# Allegro board WDMB-0007B-V02.brd (continued)
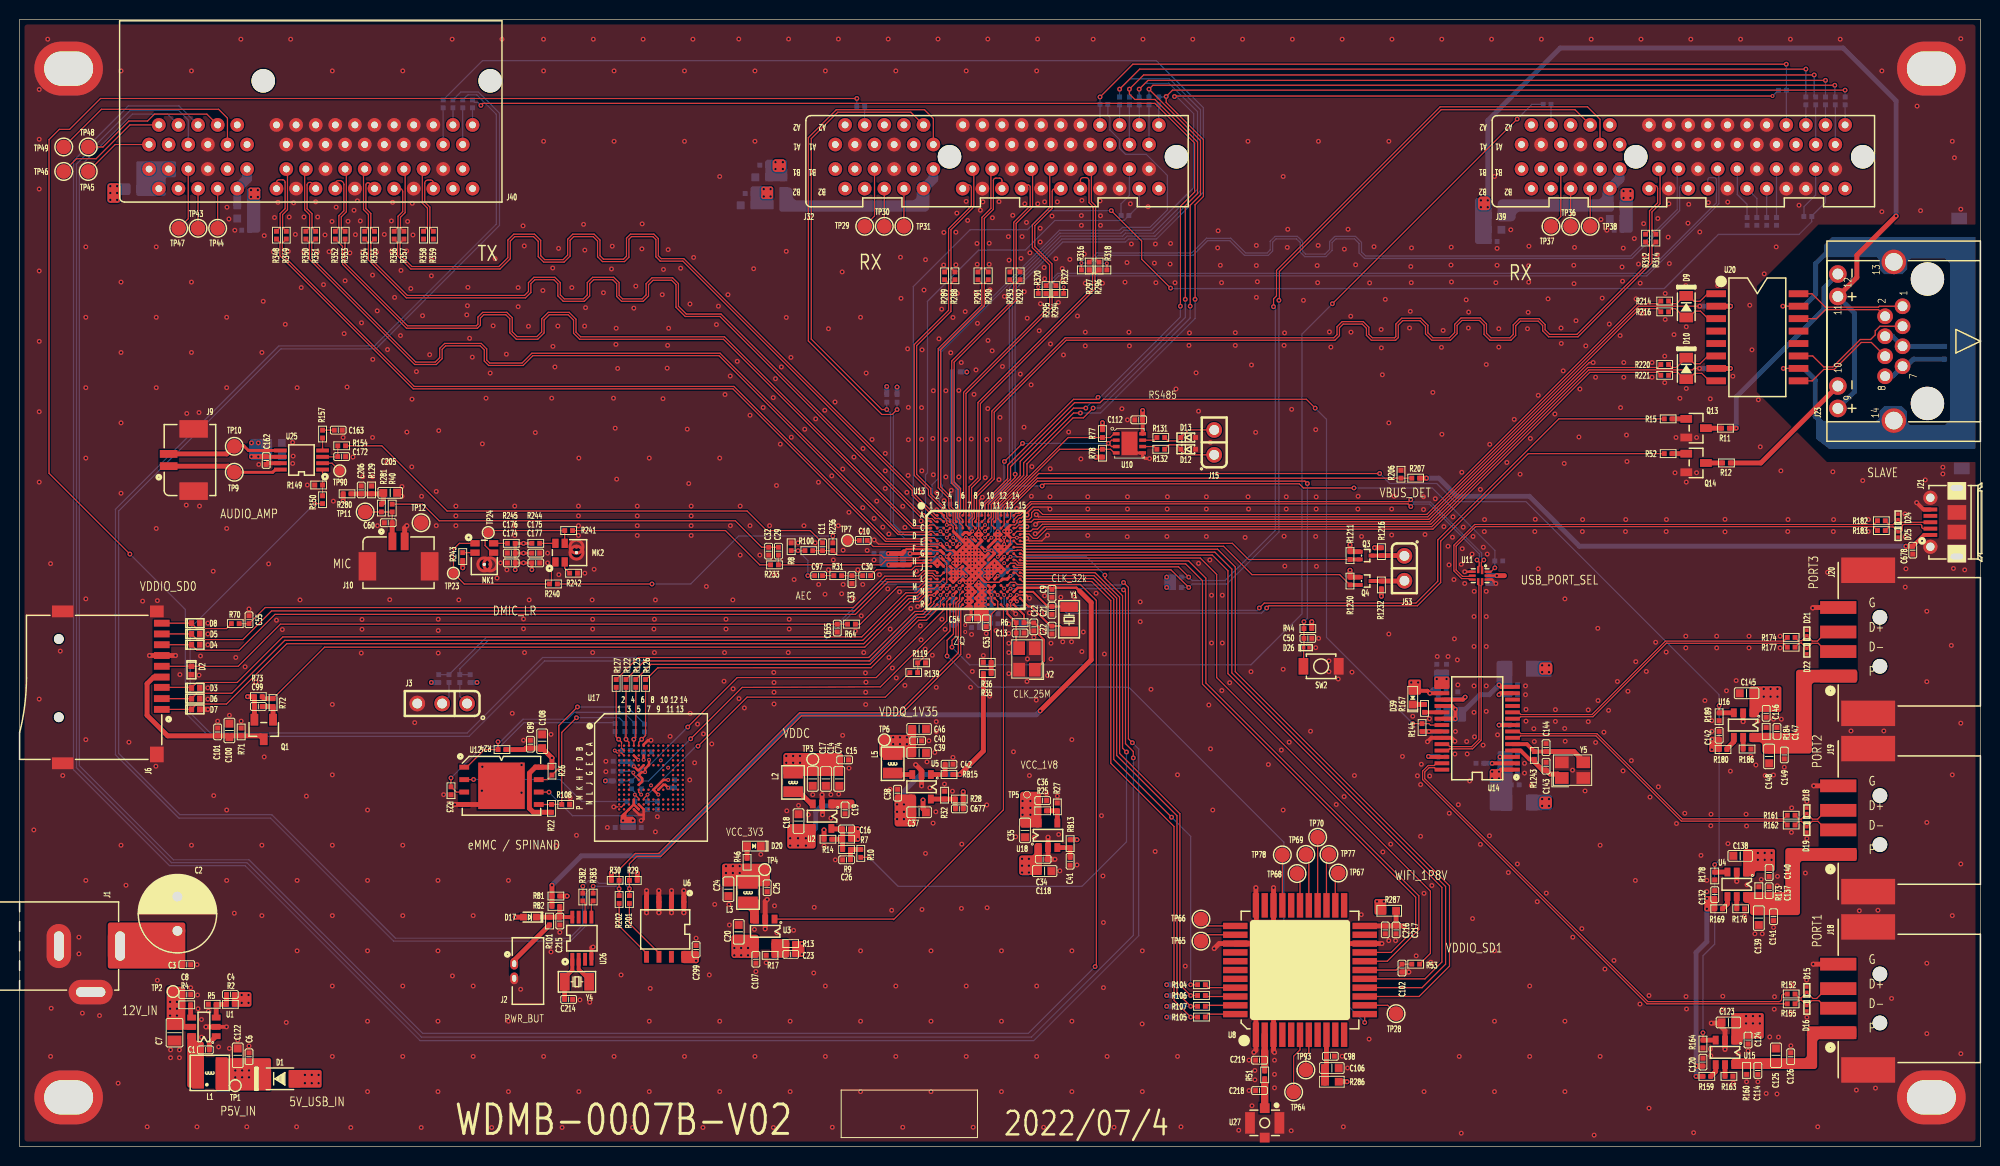
[diagram p0: board, top side]
## Nets (continued)
RGB_MCLK0: J32.B30 R691.1 U13.C4((CAM_MCLK0/AUX1/XGPIOA[0])___[P)
RGB_RST0: R298.2 U13.E5((XGPIOA[2]/CAM_VS0/IIC4_SCL)___)
RGB_RX0_0N: R288.2 U13.A4(((PAD_MIPIRX0N)/VI0_D[7]/VO_D[6)
RGB_RX0_0P: R289.2 U13.B4(((PAD_MIPIRX0P)/VI0_D[8]/VO_D[5)
RGB_RX0_1N: R290.2 U13.B5(((PAD_MIPIRX1N)/VI0_D[5]/VO_D[8)
RGB_RX0_1P: R291.2 U13.C5(((PAD_MIPIRX1P)/VI0_D[6]/VO_D[7)
RGB_RX0_2N: R292.2 U13.B6(((PAD_MIPIRX2N)/VI0_D[3]/VO_D[1)
RGB_RX0_2P: R293.2 U13.C6(((PAD_MIPIRX2P)/VI0_D[4]/VO_D[9)
RS485_RE_DE: U10.2(RE#) U10.3(DE) U13.C9((VI2_CLK/VI1_CLK/VO_CLK1/XGPIOB)
RS485_UART2_RX: R77.2 U10.1(R) U13.B12((PWM[2]/VI1_D[9]/VO_D[22]/XGPIO)
RS485_UART2_TX: R78.2 U10.4(D) U13.A12((PWM[1]/VI1_D[10]/VO_D[23]/XGPI)
RS485DN: R132.1 U10.6(A)
RS485DN_1: D12.N(CATHODE) J15.1 R132.2
RS485DP: R131.2 U10.7(B)
RS485DP_1: D13.N(CATHODE) J15.2 R131.1
RTC_XIN: C21.1 U13.N15(RTC_XIN) Y1.2
RTC_XOUT: C22.1 U13.P15(RTC_XOUT) Y1.1
RX_D+: J23.3(RX_D+) U20.11(RX+)
RX_D-: J23.6(RX_D-) U20.9(RX-)
SD1_CLK: C102.1 R53.1 U8.17(SD_CLK)
SD_PWR_3V3: C100.1 C101.1 J6.4(VDD) Q1.D(DRAIN) R71.2
SD_PWR_EN: R72.1 R73.2 U13.N1((SDIO0_PWR_EN/XGPIOA[14])__[PD-)
SD_SD0_CD: C55.1 R70.2 U13.K2((SDIO0_CD/XGPIOA[13])__________)
SD_SD0_CLK: R64.2 U13.L1((SDIO0_CLK/IIC1_SDA/SPI0_SCK/XG)
SD_SD0_CMD: D3.N(2) J6.3(CMD) U13.L3((SDIO0_CMD/IIC1_SCL/SPI0_SDO/XG)
SD_SD0_D0: D4.N(2) J6.7(DAT0) U13.L2((SDIO0_D[0]/CAM_MCLK1/SPI0_SDI/)
SD_SD0_D1: D5.N(2) J6.8(DAT1) U13.K3((SDIO0_D[1]/IIC1_SDA/AUX0/XGPIO)
SD_SD0_D2: D7.N(2) J6.1(DAT2) U13.M2((SDIO0_D[2]/IIC1_SCL/AUX1/XGPIO)
SD_SD0_D3: D6.N(2) J6.2(CD/DAT3) U13.M1((SDIO0_D[3]/CAM_MCLK0/SPI0_CS_X)
SDIO_CD_1: D8.N(2) J6.9(CD) R70.1
SDIO_CLK_1: C655.2 D2.N(2) J6.5(CLOCK) R64.1
SPI_VCC: C23.2 C24.1 C25.1 C43.1 C44.1 C45.1 C56.1 C57.1 C61.1 C64.1 C89.1 C99.1 C108.1 C299.1 C673.1 C674.1 C675.1 C676.1 D17.P J23.9(GRN_A+) J23.11(YEL_A+) L3.2 Q1.S(SOURCE) R13.1 R22.1 R24.1 R26.1 R29.1 R30.1 R38.1 R46.1 R54.1 R73.1 R77.1 R78.1 R116.1 R142.2 R280.2 R286.1 R1248.2 R1249.2 TP4.1(TP) U6.8(VCC) U12.8(VCC) U13.F9(VDDIO_VIVO) U13.G11(VDD33A_EPHY) U13.H3(VIN3V) U13.H10(VCC33A_USB) U13.M3(VDDIO_EMMC) U17.E6(VCC#E6) U17.F5(VCC#F5) U17.J10(VCC#J10) U17.K9(VCC#K9)
SPINAND_CS_X: R24.2 R39.1 U12.1(CSZ)
SPINAND_HOLD_X: R26.2 R118.1 U12.7(HOLD#(IO3))
SPINAND_MISO: R49.1 U12.2(SO(IO1))
SPINAND_MOSI: R3.1 R22.2 R108.1 U12.5(SI(IO0))
SPINAND_SCK: R128.1 U12.6(SCK)
SPINAND_WP_X: R23.1 R121.1 U12.3(WP#(IO2))
SPK_EN: R150.1 U13.N3((XGPIOA[15])________________[PD)
SYS_XTAL_IN: C13.1 R6.1 U13.R13(XTAL_XIN) Y2.3(X2)
SYS_XTAL_OUT: C12.1 R6.2 U13.R14(XTAL_XOUT) Y2.1(X1)
TP_INT: R363.2 U13.A9((VI2_D[2]/VI1_D[2]/VO_D[15]/XGP)
TP_RST: R360.2 U13.A10((VI2_D[3]/VI1_D[3]/VO_D[16]/XGP)
TX_D+: J23.1(TX_D+) U20.16(TX+)
TX_D-: J23.2(TX_D-) U20.14(TX-)
UART0_RX: R33.2 R38.2 U13.M4((UART0_RX/CAM_MCLK0/PWM[5]/XGPI)
UART0_TX: R16.2 R54.2 U13.M5((UART0_TX/CAM_MCLK1/PWM[4]/XGPI)
UART_CTS: R104.1 U8.41(UART_RTS)
UART_RTS: R105.1 U8.44(UART_CTS)
UART_RX: R106.1 U8.42(UART_TX)
UART_TX: R107.1 U8.43(UART_RX)
UPDATE: C50.1 D26.N(2) R44.2 SW2.1 U13.B13((USB_ID/XGPIOB[4])_________[PU])
USB_1P8V: C670.2 C671.2 C672.2 R79.1 U14.14(V18) U14.18(VDD#18) U14.20(VDD#20)
USB_3P3V: C120.1 C121.2 C127.2 C129.2 C130.2 C132.1 C133.2 C134.2 C135.2 C136.2 C142.1 C626.1 C669.2 D39.P(ANODE) R142.1 R144.2 R159.2 R169.2 R171.2 R180.2 U11.9(VCC) U14.1(AVDD#1) U14.3(PVDD) U14.8(AVDD#8) U14.13(AVDD#13) U14.16(V33) U14.22(VDDH) U14.26(AVDD#26)
USB_DM: U11.2(D-) U13.B14(USB_DM)
USB_DP: U11.1(D+) U13.A14(USB_DP)
USB_PORT_SEL: R21.2 U11.10(S) U13.E10((VI2_D[0]/VI1_D[0]/VO_D[13]/XGP)
USB_VBUS_P1: C114.1 C125.1 C126.1 J18.1(VBUS) R160.2 U15.6(OUT)
USB_VBUS_P2: C137.1 C139.1 C141.1 J19.1(VBUS) R173.2 U4.6(OUT)
USB_VBUS_P3: C147.1 C148.1 C149.1 J20.1(VBUS) R184.2 U16.6(OUT)
WG2_D0: Q3.S(SOURCE) R1211.1 U13.E15(((ADC3)/CAM_MCLK0/IIC4_SCL/XGPI)
WG2_D1: Q4.S(SOURCE) R1230.1 U13.E14(((ADC2)/CAM_MCLK1/IIC4_SDA/XGPI)
WG_DATA0: J53.1 Q3.D(DRAIN) R1216.1
WG_DATA1: J53.2 Q4.D(DRAIN) R1232.1
WIFI_1P8V: C216.1 C217.1 R287.2 U8.22(VDDIO3318)
WIFI_3P3V: C98.1 C106.1 R286.2 U8.9(VDD33)
WIFI_ANT: C219.1 R51.1 U8.2(WIFI_ANT)
WIFI_CHIP_EN: U8.12(CHIP_EN) U13.P5((AUX0/XGPIOA[30]/IIS1_MCLK/VO_D)
WIFI_SD1_CLK: R53.2 U13.G14((PWR_SD1_CLK_VO37/SPI2_SCK/IIC3)
WIFI_SD1_CMD: U8.16(SD_CMD) U13.G15((PWR_SD1_CMD_VO36/SPI2_SDO/IIC3)
WIFI_SD1_D0: U8.18(SD_D0) U13.H15((PWR_SD1_D0_VO35/SPI2_SDI/IIC1_)
WIFI_SD1_D1: U8.19(SD_D1) U13.H14((PWR_SD1_D1_VO34/IIC1_SDA/UART2)
WIFI_SD1_D2: U8.14(SD_D2) U13.F14((PWR_SD1_D2_VO33/IIC1_SCL/UART2)
WIFI_SD1_D3: U8.15(SD_D3) U13.G13((PWR_SD1_D3_VO32/SPI2_CS_X/IIC1)
WLED_PWM: R282.1 U13.N4((CR_4WTCK/CAM_MCLK1/PWM[6]/XGPI)
YEL_C: J23.12(YEL_C-) R11.1
N17616778: C150.2 U17.C2(VDDI)
N18295917: R141.1 U17.H5(DS)
N18642102: C218.1 R51.2 U27.1(RF)
N19124516: Q13.C R11.2
N19124521: Q14.C R12.2
N19124553: Q13.B R15.1
N19124558: Q14.B R52.1
N20257705: R201.2 U6.6(SCL)
N20257708: R202.2 U6.5(SDA)
N20362794: D20.P(ANODE) R46.2
N20554700: C97.1 R8.2 R100.2
N20625789: TP64.1(TP) U8.6(HOST_WAKEUP_BT)
N20625806: TP65.1(TP) U8.35(CHIP_EN)
N20625808: TP66.1(TP) U8.34(\\\\\\\\\\\\BT_DIS)
N20625841: TP67.1(TP) U8.24(CLK_REQ)
N20625867: TP68.1(TP) U8.28(PCM_SYNC)
N20625875: TP69.1(TP) U8.27(PCM_IN)
N20625883: TP70.1(TP) U8.26(PCM_CLK)
N20625885: TP77.1(TP) U8.25(PCM_OUT)
N20726718: R149.1 R150.2 U25.1(SHDN)
N20726792: J9.1 TP9.1(TP) U25.8(VO2)
N20726805: TP90.1(TP) U25.2(BYPASS)
N20726821: C172.2 R154.2 U25.3(+IN)
N20726855: R157.1 U25.4(-IN)
N20726861: J9.2 TP10.1(TP) U25.5(VO1)
N20800875: TP93.1(TP) U8.7(BT_WAKEUP_HOST)
N20812882: C163.2 R157.2
N21235092: J2.1(+) R101.1
N21260480: C97.2 R31.1
N21277696: J3.2 R16.1
N21277698: J3.1 R33.1
N21280532: C31.2 C119.2 U13.G1(PAD_AUD_AVREF)
N21280589: C10.1 U13.F2(((PAD_AUD_AOUTL)/XGPIOC[25]/IIS)
N21280592: C10.2 TP7.1(TP)
N21282324: C113.2 U13.E8(VDDCAP18_VIVO)
N21289025: C96.1 U13.L11(VDDC_RTC)
N21349326: C1.1 U1.1(BS)
N21349330: C1.2 L1.1 U1.6(SW)
N21349457: C4.1 R2.2 R5.1 U1.3(FB)
N21349526: R4.1 U1.4(EN)
N21350659: L3.1 U3.3(LX)
N21350752: C23.1 R13.2 R17.1 U3.5(FB)
N21352044: L2.1 U2.3(LX)
N21352151: C16.1 R7.2 R9.2 R14.1 U2.5(FB)
N21352228: C26.1 R9.1 R10.2
N21353900: R25.1 R27.2 U18.4(SNS/NC)
N21353935: C41.1 RB13.1 U18.3(EN)
N21354887: L5.1 U5.3(LX)
N21354977: C677.1 R28.1 R32.2 U5.5(FB)
N21354987: C42.1 RB15.1 U5.1(EN)
N21386689: C99.2 Q1.G(GATE) R72.2
N21392506: R166.2 U14.2(UP_RREF)
N21393427: D24.N(2) J21.3(D+) R182.1
N21393464: D25.N(2) J21.2(D-) R183.1
N21394692: D9.N R214.1 U20.1(TD+)
N21394737: J23.4(TXCT) J23.5(RXCT) R218.1
N21394814: D9.P R216.1 U20.3(TD-)
N21394834: R217.2 U20.15(TCM)
N21394880: D10.N R220.1 U20.6(RD+)
N21394933: D10.P R221.1 U20.8(RD-)
N21394964: R222.2 U20.10(TCM-)
N21394972: J23.7(NC) J23.8(CH_GND) R223.1
N21396949: MK2.2(SEL) R242.1
N21396953: MK1.2(SEL) R243.1
N21398811: J32.A4 R282.2
N21398846: J32.B5 TP29.1(TP)
N21398875: J32.B6 TP30.1(TP)
N21398958: J32.B10 J32.B11 R283.1 R1249.1
N21399034: J32.B12 R289.1
N21399043: J32.B13 R288.1
N21399076: J32.B15 R291.1
N21399085: J32.B16 R290.1
N21399128: J32.B18 R293.1
N21399137: J32.B19 R292.1
N21399188: J32.B21 R295.1
N21399201: J32.B22 R294.1
N21399240: J32.B24 R297.1
N21399251: J32.B25 R296.1
N21399314: J32.A28 R300.2
N21399330: J32.B29 R691.2
N21399333: J32.A29 R301.2
N21399350: J32.A30 R302.2
N21399366: J32.A31 R303.1
N21399378: J32.A32 R304.1
N21399559: J39.A4 R307.2
N21399589: J39.B5 TP37.1(TP)
N21399606: J39.B6 TP36.1(TP)
N21399687: J39.B10 J39.B11 R310.1 R1248.1
N21399773: J39.B12 R312.1
N21399789: J39.B13 R314.1
N21399847: J39.B15 R316.1
N21399863: J39.B16 R318.1
N21399921: J39.B18 R320.1
N21399937: J39.B19 R322.1
N21399992: J39.B21 R324.1
N21400005: J39.B22 R326.1
N21400060: J39.B24 R328.1
N21400073: J39.B25 R330.1
N21400163: J39.B29 R690.2
N21400166: J39.A29 R334.2
N21400183: J39.A30 R335.2
N21400199: J39.A31 R336.1
N21400211: J39.A32 R338.1
N21401311: J40.B1 J40.B2 J40.B3 R343.2
N21401315: J40.A1 TP45.1(TP)
N21401331: J40.A2 TP46.1(TP)
N21401371: J40.B5 TP47.1(TP)
N21401388: J40.B6 TP43.1(TP)
N21401445: J40.A9 TP49.1(TP)
N21401447: J40.B10 J40.B11 R347.2
N21401721: J40.B27 R358.2
N21401727: J40.B28 R359.2
N21401746: J40.A29 R360.1
N21401761: J40.A30 R361.1
N21401776: J40.A31 R362.1
N21401791: J40.A32 R363.1
N21402974: C214.1 U26.1(OSCI) Y4.2
N21403035: U26.2(OSCO) Y4.1
N21413149: D15.N(2) J18.3(D+) R152.1
N21413150: D16.N(2) J18.2(D-) R155.1
N21414157: D18.N(2) J19.3(D+) R161.1
N21414158: D19.N(2) J19.2(D-) R162.1
N21416553: D22.N(2) J20.2(D-) R177.1
N21416554: D21.N(2) J20.3(D+) R174.1
N21422160: R159.1 U15.4(FLAG)
N21422285: R163.2 U15.5(SET)
N21422386: R169.1 U4.4(FLAG)
N21422501: R176.2 U4.5(SET)
N21422606: R180.1 U16.4(FLAG)
N21422721: R186.2 U16.5(SET)
N21426577: J39.A28 R57.2
N21617271: D39.N(CATHODE) R167.2
N21872674: R167.1 U14.19(SUSPEND)
N21906407: TP13.1(TP) U13.M6((JTAG_CPU_TRST/XGPIOA[20]/VO_D[)
N22085012: C93.1 U20.7(RCT)
N22085108: C91.1 U20.2(TCT)
N22126750: TP8.1(TP) U13.N11((PWR_WAKEUP1/PWR_IR1/PWR_GPIO[7)
N22129982: C30.2 U13.J1(((PAD_AUD_AINR_MIC)/XGPIOC[22]/)
N206260310: TP78.1(TP) U8.30(26MHZ_IN)
N212323410: TP28.1(TP) U8.13(LAN_WAKE_HOST)
N213968983: MK2.5(VDD) R244.1
N213969093: MK1.5(VDD) R245.1
N2139875339: J32.B8 TP31.1(TP)
N2139946739: J39.B8 TP38.1(TP)
N2140128924: J40.A8 TP48.1(TP)
N2140128939: J40.B8 TP44.1(TP)

Pads without a net: J21 4; J32 A1 A2 A5 A6 A8 A9 A27 B1 B2 B3 B4 B9 B32; J39 A1 A2 A5 A6 A10 A11 A27 B1 B2 B3 B4 B9 B32; J40 A3 A10 A11 B4 B9 B30 B31 B32; R324 2; R326 2; R328 2; R330 2; R358 1; R359 1; U6 7; U8 4 5 8 10 11 21 23 29 32 37 38 39 40; U13 C3 E13 L14 M14 P10 P12 R10; U14 11 12; U17 A1 A2 A7 A8 A9 A10 A11 A12 A13 A14 B1 B3 B4 B5 B6 B7 B8 B9 B10 B11 B12 B13 B14 C1 C3 C5 C7 C8 C9 C10 C11 C12 C13 C14 D1 D2 D3 D4 D12 D13 D14 E1 E2 E3 E5 E8 E9 E10 E12 E13 E14 F1 F2 F3 F10 F12 F13 F14 G1 G2 G3 G10 G12 G13 G14 H1 H2 H3 H12 H13 H14 J1 J2 J3 J12 J13 J14 K1 K2 K3 K6 K7 K10 K12 K13 K14 L1 L2 L3 L12 L13 L14 M1 M2 M3 M7 M8 M9 M10 M11 M12 M13 M14 N1 N3 N6 N7 N8 N9 N10 N11 N12 N13 N14 P1 P2 P7 P8 P9 P10 P11 P12 P13 P14; U20 4 5 12 13; U26 3 7

## Via types
v1: diameter 0.4, hole 0.2, TOP to BOTTOM, 109 vias
v2: diameter 0.5, hole 0.25, TOP to BOTTOM, 1629 vias

## Routing (per net, layer and track width the routed paths; a pad name or vN(x,y) marks a point on that pad's centre or on a via; arc(x,y) is an arc through that point)
5V_USB_IN: length 55.9
  TOP w0.125: 28.07,7.3 D1.P
  TOP w0.4: J21.1 194.25,62.4 C678.1
  TOP w0.5: R207.1 v2(143.5,68.2) ; C678.1 v2(192.4,61.25)
  BOTTOM w0.5: v2(192.4,61.25) 159.1,61.25 154,66.35 146.6,66.35 144.75,68.2 v2(143.5,68.2)
  vias: v2(29.1,7.3) v2(29.1,6.45) v2(29.8,7.3) v2(29.8,6.45) v2(30.5,7.3) v2(30.5,6.45)
12V_IN:
  vias: v2(9.25,98) v2(9.25,97.3) v2(9.25,96.6) v2(9.95,98) v2(9.95,97.3) v2(9.95,96.6) v2(15.35,14.75) v2(15.35,14.05) v2(15.35,13.35) v2(16.05,14.75) v2(16.05,14.05) v2(16.05,13.35)
GND: length 422.3
  TOP w0.075: 61.3,34.65 60.95,34.65
  TOP w0.125: v2(160.5,80) 160.09,80 143.84,63.75 103.9,63.75 v2(103.62,63.48) ; 95.23,62.77 95.23,63.22 95.03,63.42 94.72,63.42 94.58,63.58 94.58,63.9 94.25,64.22 U13.A3 ; v2(171.38,85.75) 165.13,85.75 143.63,64.25 103.92,64.25 v2(103.7,64.47) ; v1(97.83,62.77) 97.83,63.84 97.84,63.85 97.84,64.65 97.9,64.71 97.9,65.95 v2(98.2,66.25) ; 101.06,61.46 101.06,62.14 102.64,62.14 v2(102.72,62.05) 102.97,61.8 104.28,61.8 v2(104.85,62.38) ; 102.38,56.27 v1(101.72,56.27) ; 95.22,60.83 94.58,60.83 U13.F3 ; v2(103.6,62.52) 103.83,62.52 104.55,63.25 144.05,63.25 160.05,79.25 170.62,79.25 170.78,79.4 v2(171.35,79.4) ; v2(87.16,61.9) 87.6,61.48 v1(93.92,61.48) ; v2(105.1,65.05) 104.9,65.25 103.38,65.25 102.75,64.62 v2(102.75,64.45) 102.5,64.45 102.17,64.12 101.97,64.12 101.74,63.89 101.74,63.64 101.52,63.42 101.08,63.42 101.03,63.38 ; 61.3,34.65 61.4,34.65 U17.N2 ; 100.45,62.75 v1(100.42,62.77) ; 101.57,54.41 101.57,54.41 101.6,54.38 v2(101.6,54.35)
  TOP w0.15: 98.4,57.65 98.47,57.58 99.92,57.58 100.1,57.75 ; v1(93.28,56.27) 92.78,56.27 92.55,56.05 92.55,55.65 92,55.1 v2(91.6,55.1) ; 60.95,34.65 v2(60.6,34.65) ; 101.57,54.41 101.08,54.91 v1(101.08,55.62) ; U13.F13 v1(100.42,61.48) v1(100.42,62.12) U13.D13
  TOP w0.2: v2(93.55,64.97) 93.75,64.77 93.88,64.77 U13.A3 ; v2(103,55.95) 102.67,56.27 102.38,56.27
  TOP w0.25: U17.A6 63.65,41.01 64.09,41.45 v2(64.4,41.45) ; U17.J5 63.5,37.25 63.5,37.55 U17.G5 63.45,38.2 v1(63.8,38.2) 63.8,38.55 U17.E7 64.2,38.95 v1(64.2,39.45) ; 148.18,58.65 v2(147.4,58.65) ; U17.N5 U17.P6 63.65,33.85 ; v1(65.15,35.9) U17.K8 U17.H10 v1(66.15,37.4) ; U17.P4 63.2,33.85 63.65,33.85 ; U17.C4 v1(63.1,39.45) ; v2(63.4,33.25) 63.65,33.4 63.65,33.85 ; v2(150.57,57.45) 150.18,57.85 U11.8
  TOP w0.3: U13.J8 U13.K7 ; U13.J8 U13.K9 U13.L8 ; U13.J8 U13.H9 ; U13.J8 v1(97.17,59.52) ; U13.K7 U13.L8 ; U13.K7 96.53,58.88 U13.J7 ; U13.G6 96.53,60.83 ; U13.G6 95.88,60.83 ; U13.G6 v1(95.88,60.17) ; U13.G6 v1(96.53,60.17) ; 96.53,60.83 U13.F6 ; 96.53,60.83 U13.F7 ; 96.53,60.83 U13.G7 ; U13.P7 v1(96.53,56.27) U13.N7 ; U13.P7 v1(96.53,55.62) U13.R7 ; U13.P7 97.17,56.27 ; U13.P7 97.17,55.62 U13.R7 ; 95.88,60.83 U13.F6 ; 95.88,60.83 U13.G5 ; U13.F6 96.53,61.48 ; 98.4,57.65 U13.L9 U13.K8 ; U13.C13 v1(101.08,62.77) U13.D13 ; U13.C13 101.03,63.38 ; U13.C13 v1(100.42,62.77) ; U13.R7 97.05,55.1 97.05,54.1 C54.2 ; U13.R7 96.53,54.98 v1(96.53,54.92) ; U13.P14 v1(101.72,56.27) ; U13.P14 v1(101.72,55.62) ; U13.P14 v1(101.08,55.62) ; U13.M7 v1(96.53,56.92) U13.N7 ; U13.M7 v1(97.17,57.58) ; U13.M7 97.17,56.92 ; U13.M7 v1(96.53,57.58) ; 97.17,61.48 v1(97.83,60.83) ; 97.17,61.48 U13.F7 ; 97.17,61.48 U13.E7 ; v1(97.83,60.83) U13.G8 ; v1(97.83,60.83) U13.G9 ; v1(97.17,59.52) U13.H7 ; v1(97.17,59.52) U13.H8 ; v1(97.17,59.52) U13.J7 ; U13.H7 v1(97.17,60.17) ; U13.H7 v1(96.53,60.17) ; U13.H7 96.53,59.52 ; U13.J7 96.53,59.52 ; U13.J7 U13.K8 ; v1(97.83,60.17) U13.H8 ; v1(97.83,60.17) U13.G9 ; v1(97.83,60.17) U13.H9 ; v1(97.83,60.17) U13.G8 ; U13.H8 v1(97.17,60.17) ; U13.H8 U13.J9 ; 100.42,60.83 U13.F13 101.06,61.46 ; 100.42,60.83 99.78,61.48 U13.F11 99.78,60.83 ; 100.42,60.83 100.1,60.5 ; 97.17,56.92 U13.N7 ; 97.17,56.92 U13.N8 97.17,56.27 ; U13.N7 97.17,56.27 ; U13.G5 v1(95.88,60.17) ; U13.G5 95.22,60.83 ; U13.G5 v1(95.22,60.17) U13.H5 ; 101.06,62.14 U13.D13 ; U13.D13 100.45,62.75 ; U13.N2 v1(93.28,56.27) ; v1(97.17,60.17) U13.G8 ; v1(97.17,60.17) U13.G7 ; v1(97.17,57.58) U13.L7 ; v1(97.17,57.58) U13.L8 ; v1(96.53,60.17) U13.G7 ; v1(96.53,60.17) U13.H6 ; v1(101.08,58.23) U13.L13 100.25,57.9 100.1,57.75 ; 99.78,60.83 100.1,60.5 ; 99.78,60.83 v1(100.42,61.48) ; 100.1,60.5 v1(99.78,60.17) ; U13.H9 98.47,60.17 ; U13.H9 98.47,59.52 U13.J9 ; U13.F7 v1(97.17,60.83) ; U13.F7 96.53,61.48 ; 96.2,61.8 U13.D5 95.23,62.77 ; 96.2,61.8 96.53,61.48 ; 96.2,61.8 v1(96.53,62.12) U13.E7 ; U13.G7 v1(97.17,60.83) ; v1(97.17,60.83) U13.E9 v1(97.83,62.12) ; v1(97.17,60.83) U13.G8 ; v1(95.88,60.17) U13.H6 ; v1(95.88,60.17) U13.H5 ; 96.53,61.48 U13.E7 ; 96.53,59.52 U13.H6 ; U13.J9 U13.K8 ; U13.K8 U13.L7 ; v1(95.88,59.52) 95.55,59.2 v1(95.22,59.52) U13.H5 ; v1(95.88,59.52) U13.H6 ; v1(95.88,59.52) U13.H5 ; v1(97.83,62.12) U13.D9 v1(97.83,62.77) U13.D8 v1(97.83,62.12) ; U13.G9 98.47,60.17 ; v1(93.92,61.48) U13.F3 ; U13.L7 v1(96.53,57.58) ; v2(115.25,70.2) 114.8,70.2 114.55,70.45 U10.5 113.97,70.78 113.2,71.55 U10.9 ; v1(96.53,57.58) U13.L6 v1(95.88,57.58) ; 98.47,60.17 U13.G10
  TOP w0.4: v2(193.5,65.7) 194.2,65 J21.5 ; U26.4 58.33,20.3 v2(58.5,20.35) ; v2(21.1,12.2) U1.2 ; v2(146.4,41.35) 146.05,41.7 U14.23 144,41.7 v2(143.6,41.3) ; U25.7 25.27,69.72 C162.2
  TOP w0.5: v2(65.2,26.1) 65.2,24.95 65.22,24.95 65.22,23.85 v2(65.2,23.85) ; 104.9,29.3 C34.2 ; 104.9,29.3 v2(105.6,29.3) ; 104.9,29.3 U18.2 v2(104.9,31.55) ; v2(19.2,44.6) D7.P ; v2(39.5,63.35) 39.27,63.12 J10.2 ; U12.9 47.24,34.9 45.35,34.9 45.34,34.9 v2(44.4,34.9) ; v2(76.25,25.2) 76.05,25 U3.2 v2(76.05,22.2) ; v2(173.95,9.9) U15.2 173.95,11.82 173.2,12.57 v2(172.55,12.57) ; v2(127.9,22.5) U8.31 v2(127.9,26.4) ; v2(67.75,23.85) 67.75,23.85 U6.1 67.75,24.95 v2(67.75,26.1) ; J20.4 182.95,55 v2(182.9,54.95) ; v2(66.5,23.85) 66.48,23.85 U6.2 66.5,24.95 v2(66.5,26.1) ; C37.2 92.45,34.15 92.15,34.45 v2(92.15,35.35) ; v2(63.95,26.1) 63.95,24.95 U6.4 63.95,23.85 v2(63.95,23.85) ; J18.4 v2(182.95,18.6) ; v2(128,9.6) 127.9,9.7 U8.3 v2(127.9,15.25) ; U16.2 v2(175.8,43.35) ; 126.1,24.9 U8.33 ; 126.1,24.9 v2(126.1,26.4) ; 126.1,24.9 126.15,24.85 v2(126.15,22.45) ; v2(81.9,33.85) 81.9,34.9 U2.2 v2(81.85,35.9) ; v2(82.05,32.3) R14.2 ; U8.36 122.35,20.7 v2(121.85,20.2) ; v2(135.15,20.7) U8.20 v2(138.95,20.7) ; v2(125.9,9.6) 126.1,9.8 U8.1 v2(126.1,15.3) ; v2(15.9,50.1) J6.6 v2(13.25,50.1) ; v2(92,36.8) U5.2 92,38.35 v2(91.4,38.95) ; U1.2 v2(19,12.2) ; v2(141.7,17.8) C102.2 ; J19.4 v2(183,36.8) ; U4.2 v2(175.15,27.05)
  TOP w0.6: U8.36 v2(126.2,20.7)
  BOTTOM w0.3: v1(101.08,58.23) 101.17,58.23 101.6,58.65 C96.2 ; v1(93.92,61.48) 94.58,60.83 94.9,60.83 95.22,60.5 v1(95.22,60.17)
  BOTTOM w0.4: C104.2 93.9,61.45 v1(93.92,61.48)
  BOTTOM w0.5: C626.2 v2(150.57,57.45) ; C93.2 v2(171.35,79.4) ; C91.2 v2(171.38,85.75)